# KiCad board pandemonium BLE e7 cutout.kicad_pcb
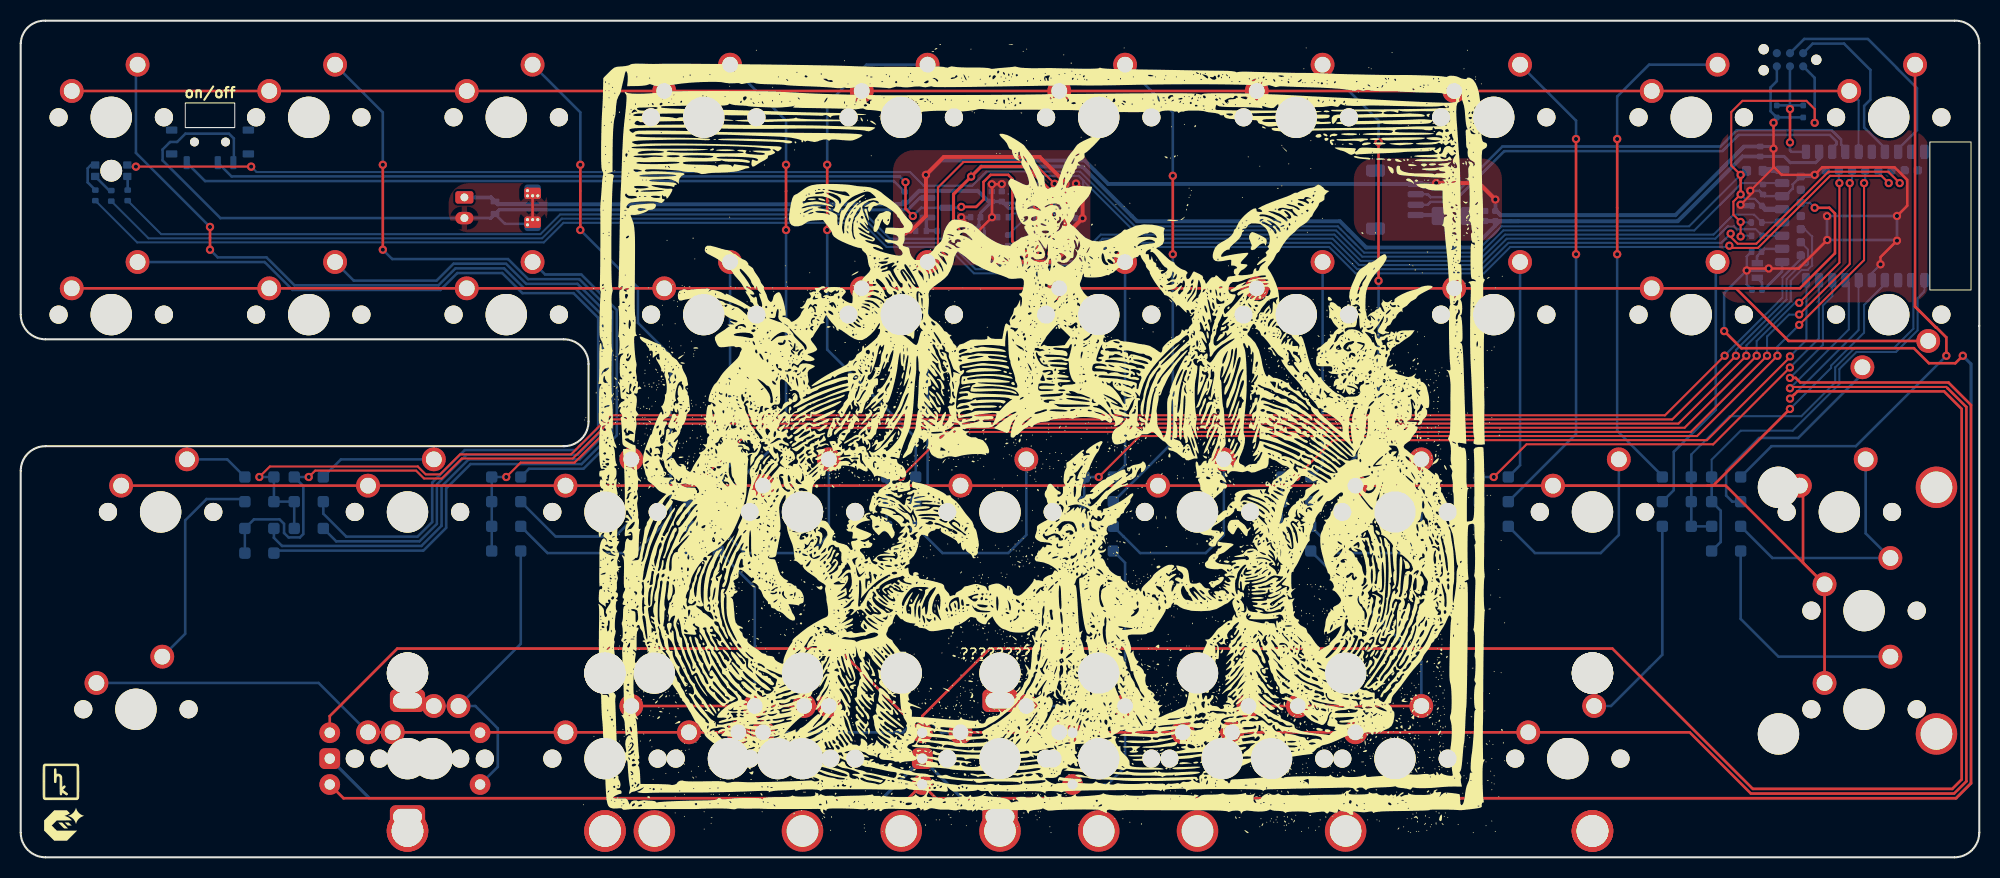
[diagram p0: board, top side]
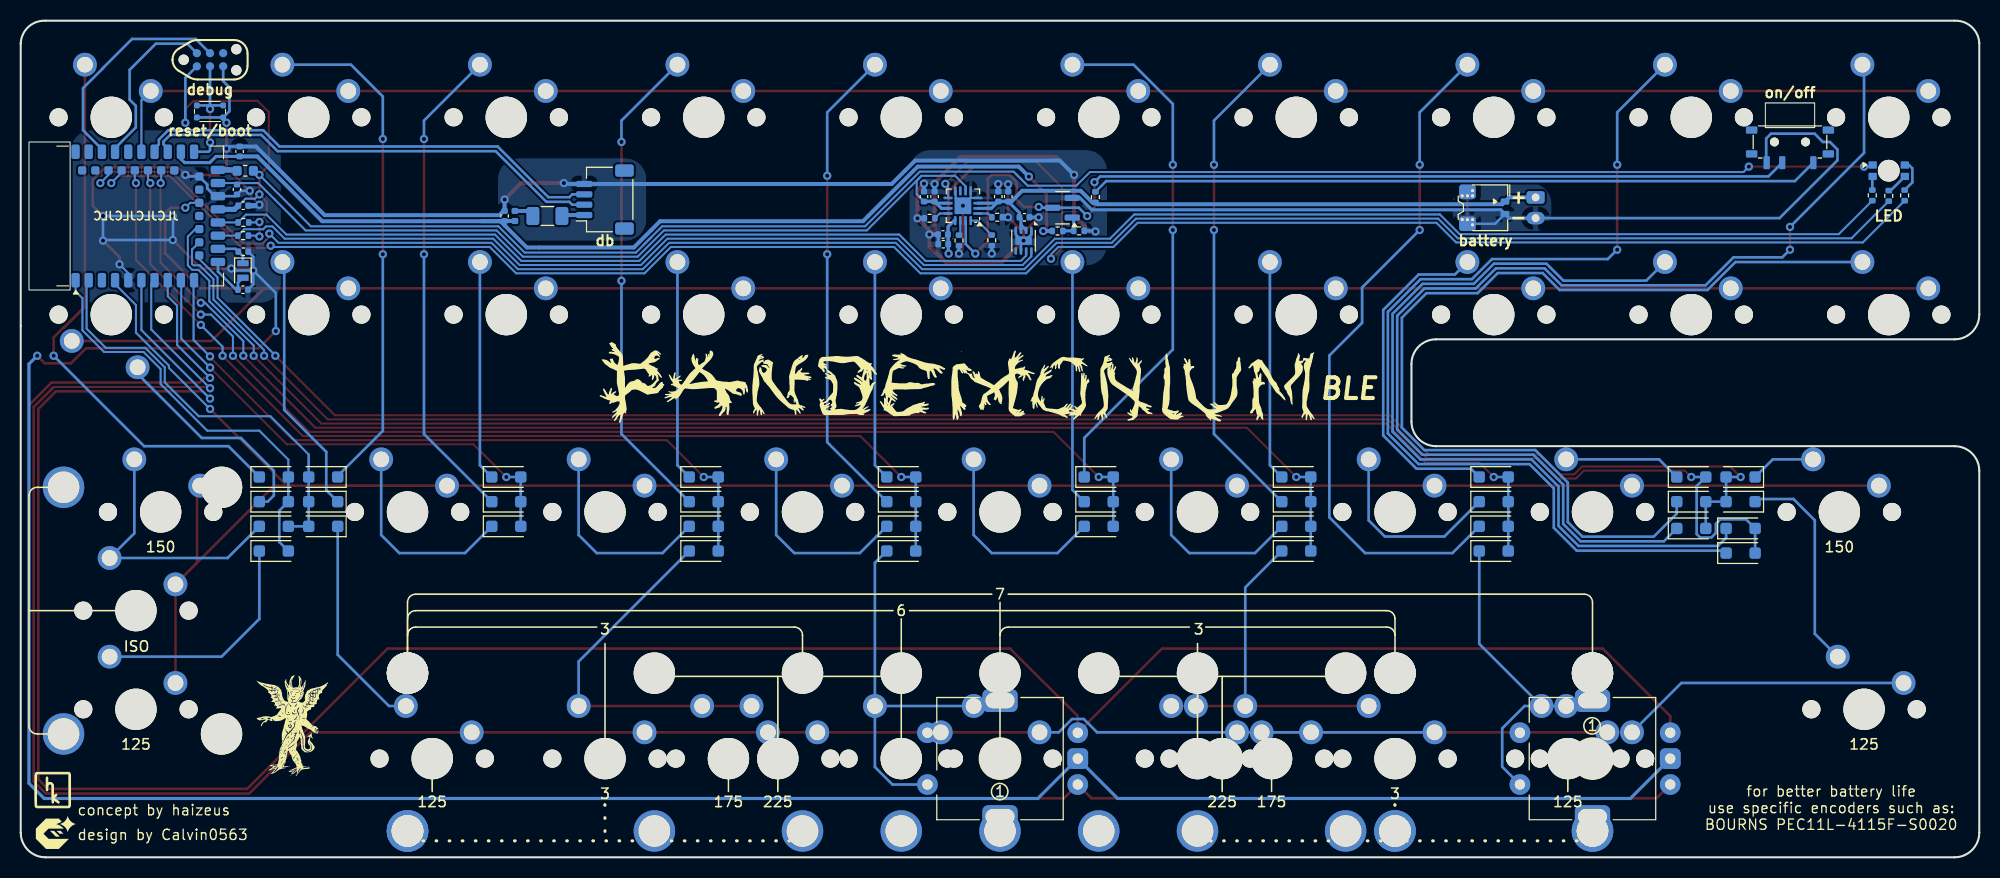
[diagram p1: board, bottom side, seen from below]

Outline 188.91 x 80.76 mm; copper layers: Top, Bottom. Coordinates in mm from the lower left corner of the outline.
Outline path: rectangle 15.88,72.83 20.64,70.44 ; rectangle 184.15,69.06 188.12,54.77 ; 2.38,39.69 arc(0.7,38.99) 0,37.31 0,2.38 arc(0.7,0.7) 2.38,0 186.53,0 arc(188.22,0.7) 188.91,2.38 188.91,51.3 188.91,78.58 arc(188.17,80.17) 186.53,80.76 2.38,80.76 arc(0.74,80.17) 0,78.58 0,52.39 arc(0.7,50.7) 2.38,50.01 52.39,50.01 arc(54.07,49.31) 54.77,47.63 54.77,42.07 arc(54.07,40.38) 52.39,39.69 2.38,39.69
Stack: Top 0.035mm / dielectric 1.51mm FR4 er 4.5 / Bottom 0.035mm

## Placement (name value [footprint] x y rotation side)
C6  1u  [C_0402_1005Metric]  167.45 62.91 180 bottom
C7  4u7  [C_0402_1005Metric]  167.8 68.14 90 bottom
C8  4u7  [C_0402_1005Metric]  168.05 64.47 270 bottom
C9  12p  [C_0402_1005Metric]  167.48 54.8 180 bottom
C10  12p  [C_0402_1005Metric]  167.44 58.47 180 bottom
C12  4u7  [C_0402_1005Metric]  142.24 61.91 90 bottom
C13  4u7  [C_0402_1005Metric]  99.93 59.19 0 bottom
C14  1u  [C_0402_1005Metric]  99.96 60.13 0 bottom
C15  4u7  [C_0402_1005Metric]  101.79 63.79 90 bottom
C16  1u  [C_0402_1005Metric]  100.76 63.79 90 bottom
C17  100n  [C_0402_1005Metric]  92.1 61.79 180 bottom
C18  4u7  [C_0402_1005Metric]  93.66 63.79 90 bottom
C19  1u  [C_0402_1005Metric]  94.62 63.79 90 bottom
D1  D_Small  [D_SOD-123F]  27.78 31.75 180 bottom
D2  D_Small  [D_SOD-123F]  103.98 34.33 180 bottom
D3  D_Small  [D_SOD-123F]  27.78 34.33 180 bottom
D4  D_Small  [D_SOD-123F]  103.98 36.71 180 bottom
D5  D_Small  [D_SOD-123F]  23.02 36.71 0 bottom
D6  D_Small  [D_SOD-123F]  103.98 31.95 180 bottom
D7  D_Small  [D_SOD-123F]  23.02 34.33 0 bottom
D8  D_Small  [D_SOD-123F]  23.02 29.37 180 bottom
D9  D_Small  [D_SOD-123F]  123.03 34.33 180 bottom
D10  D_Small  [D_SOD-123F]  23.02 31.75 180 bottom
D11  D_Small  [D_SOD-123F]  123.03 36.71 180 bottom
D12  D_Small  [D_SOD-123F]  27.78 36.71 180 bottom
D13  D_Small  [D_SOD-123F]  123.03 31.95 180 bottom
D14  D_Small  [D_SOD-123F]  46.83 29.57 180 bottom
D15  D_Small  [D_SOD-123F]  46.83 31.95 180 bottom
D16  D_Small  [D_SOD-123F]  142.08 34.33 180 bottom
D17  D_Small  [D_SOD-123F]  46.83 36.71 180 bottom
D18  D_Small  [D_SOD-123F]  142.08 36.71 180 bottom
D19  D_Small  [D_SOD-123F]  46.83 34.33 180 bottom
D20  D_Small  [D_SOD-123F]  142.08 31.95 180 bottom
D21  D_Small  [D_SOD-123F]  65.88 29.57 180 bottom
D22  D_Small  [D_SOD-123F]  65.88 34.33 180 bottom
D23  D_Small  [D_SOD-123F]  84.93 36.71 180 bottom
D24  D_Small  [D_SOD-123F]  103.98 29.57 180 bottom
D25  D_Small  [D_SOD-123F]  159.74 36.71 0 bottom
D26  D_Small  [D_SOD-123F]  164.5 36.71 180 bottom
D27  D_Small  [D_SOD-123F]  159.74 31.95 0 bottom
D28  D_Small  [D_SOD-123F]  65.88 36.71 180 bottom
D29  D_Small  [D_SOD-123F]  84.93 34.33 180 bottom
D30  D_Small  [D_SOD-123F]  164.5 29.57 180 bottom
D31  D_Small  [D_SOD-123F]  159.74 34.33 0 bottom
D32  D_Small  [D_SOD-123F]  164.5 34.33 180 bottom
D34  D_Small  [D_SOD-123F]  65.88 31.95 180 bottom
D35  D_Small  [D_SOD-123F]  84.93 31.95 180 bottom
D37  D_Small  [D_SOD-123F]  164.5 31.95 180 bottom
D40  D_Small  [D_SOD-123F]  123.03 29.57 180 bottom
F2  750 mA  [Fuse_1206_3216Metric]  138.11 61.91 0 bottom
G***  -  [LOGO]  3.97 7.14 0 top
G***#2  -  [LOGO]  3.97 3.18 0 top
G***#3  -  [LOGO]  98.42 40.48 0 top
G***#4  -  [LOGO]  185.74 2.38 180 bottom
G***#5  -  [LOGO]  99.22 46.04 180 bottom
G***#6  -  [LOGO]  185.74 6.35 180 bottom
G***#7  -  [LOGO]  162.72 12.7 180 bottom
J1  TC2030_SWD  [CON_TC2030_outlined]  170.66 76.99 180 bottom  (not fitted)
J3  78171-0002  [Molex_Pico-EZmate_78171-0002_1x02-1MP_P1.20mm_Vertical]  47.62 62.71 270 bottom
J4  Conn_01x02_Female  [JST_PH_S2B-PH-K_1x02_P2.00mm_Horizontal]  42.79 63.71 270 bottom
J5  SM04B  [JST_SH_SM04B-SRSS-TB_1x04-1MP_P1.00mm_Horizontal]  132.56 63.5 90 bottom
L1  10 uH  [L_0603_1608Metric]  167.26 66.27 180 bottom
L2  BLM15PX121SN1D  [L_0402_1005Metric]  141.24 61.91 270 bottom
LED1  IND  [LED_1206R]  8.73 66.28 180 bottom
MX1  MX_SW_solder  [SW_MX_1u]  8.73 71.44 0 top
MX2  MX_SW_solder  [SW_MX_1u]  103.98 71.44 0 top
MX3  MX_SW_solder  [SW_MX_1u]  8.73 52.39 0 top
MX4  MX_SW_solder  [SW_MX_1u]  103.98 52.39 0 top
MX5  MX_SW_solder  [SW_MX_1.5u]  13.49 33.34 0 top
MX6  MX_SW_solder  [SW_MX_1u]  113.51 33.34 0 top
MX7  MX_SW_solder  [SW_MX_1.25u]  11.11 14.29 0 top
MX8  MX_SW_solder  [SW_MX_1u]  27.78 71.44 0 top
MX9  MX_SW_solder  [SW_MX_1u]  123.03 71.44 0 top
MX10  MX_SW_solder  [SW_MX_1u]  27.78 52.39 0 top
MX11  MX_SW_solder  [SW_MX_1u]  123.03 52.39 0 top
MX12  MX_SW_solder  [SW_MX_1u]  37.31 33.34 0 top
MX13  MX_SW_solder  [SW_MX_1u]  132.56 33.34 0 top
MX14  MX_SW_solder  [SW_MX_1u]  37.31 9.53 0 top
MX15  MX_SW_solder  [SW_MX_1u]  46.83 71.44 0 top
MX16  MX_SW_solder  [SW_MX_1u]  142.08 71.44 0 top
MX17  MX_SW_solder  [SW_MX_1u]  46.83 52.39 0 top
MX18  MX_SW_solder  [SW_MX_1u]  142.08 52.39 0 top
MX19  MX_SW_solder  [SW_MX_1u]  56.36 33.34 0 top
MX20  MX_SW_solder  [SW_MX_1u]  151.61 33.34 0 top
MX21  MX_SW_solder  [SW_MX_1u]  75.41 9.53 0 top
MX22  MX_SW_solder  [SW_MX_1u]  65.88 71.44 0 top
MX23  MX_SW_solder  [SW_MX_1u]  161.13 71.44 0 top
MX24  MX_SW_solder  [SW_MX_1u]  65.88 52.39 0 top
MX25  MX_SW_solder  [SW_MX_1u]  161.13 52.39 0 top
MX26  MX_SW_solder  [SW_MX_1u]  75.41 33.34 0 top
MX27  MX_SW_solder  [SW_MX_1u]  177.8 23.81 0 top
MX28  MX_SW_solder  [SW_MX_1u]  132.56 9.53 0 top
MX29  MX_SW_solder  [SW_MX_1u]  84.93 71.44 0 top
MX30  MX_SW_solder  [SW_MX_1u]  180.18 71.44 0 top
MX31  MX_SW_solder  [SW_MX_1u]  84.93 52.39 0 top
MX32  MX_SW_solder  [SW_MX_1u]  180.18 52.39 180 top
MX33  MX_SW_solder  [SW_MX_1u]  94.46 33.34 0 top
MX34  MX_SW_solder  [SW_MX_1u]  103.98 9.53 0 top
MX35  MX_SW_solder  [SW_MX_1u]  56.36 9.53 0 top
MX36  MX_SW_solder  [SW_MX_1.25u]  39.69 9.53 0 top
MX37  MX_SW_solder  [SW_MX_1u]  73.02 9.53 0 top
MX38  MX_SW_solder  [SW_MX_1.75u]  68.26 9.53 0 top
MX39  MX_SW_solder  [SW_MX_1u]  94.46 9.53 0 top
MX40  MX_SW_solder  [SW_MX_1.25u]  177.8 14.29 0 top
MX41  MX_SW_solder  [SW_MX_1.5u]  175.42 33.34 0 top
MX42  MX_SW_solder  [SW_MX_1u]  115.89 9.53 0 top
MX43  MX_SW_solder  [SW_MX_1.75u]  120.65 9.53 0 top
MX44  MX_SW_solder  [SW_MX_1.25u]  149.23 9.53 0 top
Q1  2N7002  [SOT-23]  88.43 62.71 0 bottom
R1  10k  [R_0402_1005Metric]  167.46 60.01 0 bottom
R2  10k  [R_0402_1005Metric]  86.84 60.48 180 bottom
R3  100R  [R_0402_1005Metric]  88.9 60.46 180 bottom
R4  100K  [R_0402_1005Metric]  85.25 63.73 90 bottom
R8  10k  [R_0402_1005Metric]  167.43 61.29 0 bottom
R10  1k  [R_0402_1005Metric]  10.32 63.9 270 bottom
R11  1k  [R_0402_1005Metric]  8.73 63.86 270 bottom
R12  1k  [R_0402_1005Metric]  7.2 63.9 270 bottom
R13  10k  [R_0402_1005Metric]  94.73 61.79 180 bottom
R14  47k  [R_0402_1005Metric]  98.41 59.55 270 bottom
R15  1k5  [R_0402_1005Metric]  101.25 61.69 0 bottom
R16  2k2  [R_0402_1005Metric]  95.25 59.56 270 bottom
S2  3  [STAB_MX_P_3u]  75.41 9.53 180 top
S3  3  [STAB_MX_P_3u]  132.56 9.53 180 top
S4  3  [STAB_MX_P_3u]  56.36 9.53 180 top
S5  ISO  [STAB_MX_P_ISO-ROT]  177.8 23.81 0 top
S6  225  [STAB_MX_P_2.25u]  73.02 9.53 180 top
S7  225  [STAB_MX_P_2.25u]  115.89 9.53 180 top
S8  6  [STAB_MX_P_6u]  103.98 9.53 180 top
S9  7  [STAB_MX_P_7u]  94.46 9.53 180 top
SW1  RotaryEncoder_Switch  [ROT_Alps_EC11E-Switch]  37.31 9.53 270 top
SW2  RotaryEncoder_Switch  [ROT_Alps_EC11E-Switch]  94.46 9.53 270 top
SW3  RST  [SW_T1A2QR]  170.66 72 180 bottom
SW4  SW_SPDT  [SW_MSK12C02-HB]  18.26 69.06 180 bottom
U1  -  [nRF52840_E73-2G4M08S1C]  178.59 61.91 90 bottom
U6  MAX17048  [DFN-8-1EP_2x2mm_P0.5mm_EP0.8x1.6mm]  92.18 59.53 270 bottom
U7  BQ24075  [VQFN-16-1EP_3x3mm_P0.5mm_EP1.6x1.6mm]  98.03 62.9 0 bottom
Y1  32.768 KHz  [Crystal_SMD_2012-2Pin_2.0x1.2mm]  167.48 56.65 270 bottom

## Library data of the parts
C6 = -: Notes: X7R, 10%; LCSC: C52923; ki_fp_filters: C_*
C7 C8 = -: Notes: X7R, 10%; LCSC: C23733; ki_fp_filters: C_*
C9 C10 = -: Notes: NP0, 2%; LCSC: C1547; ki_fp_filters: C_*
C12 C13 C15 C18 = -: LCSC: C23733; Notes: X7R, 10%; ki_fp_filters: C_*
C14 C16 C19 = -: LCSC: C52923; Notes: X7R, 10%; ki_fp_filters: C_*
C17 = -: LCSC: C307331; ki_fp_filters: C_*
D1-D32 D34 D35 D37 D40 = -: Sim.Device: D; Sim.Pins: 1=K 2=A; ki_fp_filters: TO-???* *_Diode_* *SingleDiode* D_*
F2 = -: LCSC: C20792; ki_fp_filters: SM*
J1 = -: ki_fp_filters: IDC?Header*2x03* Pin?Header*2x03*
J3 = -: LCSC: C505023; ki_fp_filters: Connector*:*_1x??-1MP*
J4 J5 = -: ki_fp_filters: Connector*:*_1x??_*
L1 = -: Notes: 80 mA, 20%; LCSC: C92982; ki_fp_filters: Choke_* *Coil* Inductor_* L_*
L2 = -: LCSC: C88970; ki_fp_filters: Choke_* *Coil* Inductor_* L_*
LED1 = -: Datasheet: https://datasheet.lcsc.com/lcsc/2104121904_MEIHUA-MHT151RGBCT_C409782.pdf; LCSC: C2802677; ki_fp_filters: LED* LED_SMD:* LED_THT:*
Q1 = -: Datasheet: https://www.onsemi.com/pub/Collateral/NDS7002A-D.PDF; Description: 0.115A Id, 60V Vds, N-Channel MOSFET, SOT-23; LCSC: C8545; ki_fp_filters: SOT?23*
R1 R8 R13 = -: LCSC: C25744; ki_fp_filters: R_*
R2 = -: Description: Resistor, small symbol; ki_fp_filters: R_*
R3 = -: Description: Resistor, small symbol; LCSC: C25076; ki_fp_filters: R_*
R4 = -: Description: Resistor, small symbol; LCSC: C25530; ki_fp_filters: R_*
R10-R12 = -: LCSC: C11702; ki_fp_filters: R_*
R14 = -: LCSC: C25792; ki_fp_filters: R_*
R15 = -: LCSC: C25867; ki_fp_filters: R_*
R16 = -: LCSC: C25879; ki_fp_filters: R_*
SW1 SW2 = -: ki_fp_filters: RotaryEncoder*Switch*
SW3 = -: LCSC: C100056
SW4 = -: LCSC: C431540
U1 = -: Datasheet: https://www.ebyte.com/en/downpdf.aspx?id=445; LCSC: C356849
U6 = -: Datasheet: https://datasheets.maximintegrated.com/en/ds/MAX17048-MAX17049.pdf; LCSC: C2682616
U7 = -: Datasheet: http://www.ti.com/lit/ds/symlink/bq24075.pdf; LCSC: C15464; ki_fp_filters: VQFN*1EP*3x3mm*P0.5mm*
Y1 = -: Datasheet: https://datasheet.lcsc.com/szlcsc/KDS-Daishinku-KDS-32-768KHz-12-5PF-20ppm_C93231.pdf; LCSC: C55208; ki_fp_filters: Crystal*

## Footprints (pads in the part's own frame, mm; a bottom-side part is the same pattern mirrored in y, then rotated)
C_0402_1005Metric
  rrect 0.56x0.62 smd: 1(-0.48,0) 2(0.48,0)
CON_TC2030_outlined
  round 0.991 hole 0.991 unplated: (-2.54,0) (2.54,-1.016) (2.54,1.016)
  round 0.787 smd: 1(-1.27,-0.635) 2(-1.27,0.635) 3(0,-0.635) 4(0,0.635) 5(1.27,-0.635) 6(1.27,0.635)
Crystal_SMD_2012-2Pin_2.0x1.2mm
  rect 0.6x1.1 smd: 1(-0.7,0) 2(0.7,0)
D_SOD-123F
  rrect 1.1x1.1 smd: 1(-1.4,0) 2(1.4,0)
DFN-8-1EP_2x2mm_P0.5mm_EP0.8x1.6mm
  rrect 0.64x1.29 smd: (0,0)
  rrect 0.7x0.25 smd: 1(-1,0.75) 2(-1,0.25) 3(-1,-0.25) 4(-1,-0.75) 5(1,-0.75) 6(1,-0.25) 7(1,0.25) 8(1,0.75)
  rect 0.8x1.6 smd: 9(0,0)
Fuse_1206_3216Metric
  rrect 1.25x1.75 smd: 1(-1.4,0) 2(1.4,0)
JST_PH_S2B-PH-K_1x02_P2.00mm_Horizontal
  rrect 1.2x1.75 hole 0.75: 1(0,0)
  oval 1.2x1.75 hole 0.75: 2(2,0)
JST_SH_SM04B-SRSS-TB_1x04-1MP_P1.00mm_Horizontal
  rrect 0.6x1.55 smd: 1(-1.5,2) 2(-0.5,2) 3(0.5,2) 4(1.5,2)
  rrect 1.2x1.8 smd: MP(-2.8,-1.875) MP(2.8,-1.875)
L_0402_1005Metric
  rrect 0.59x0.64 smd: 1(-0.485,0) 2(0.485,0)
L_0603_1608Metric
  rrect 0.875x0.95 smd: 1(-0.787,0) 2(0.787,0)
LED_1206R
  round 2.1 hole 2.1 unplated: (0,0)
  rrect 0.8x0.7 smd: 1(-1.55,0.55) 2(-1.55,-0.55) 3(1.55,-0.55) 4(1.55,0.55)
Molex_Pico-EZmate_78171-0002_1x02-1MP_P1.20mm_Vertical
  rrect 0.6x0.85 smd: 1(-0.6,1.875) 2(0.6,1.875)
  rrect 0.7x0.8 smd: MP(-1.75,-1.9) MP(1.75,-1.9)
  round 0.6 hole 0.3: MP(-1.65,-1.25) MP(-1.15,-2.25) MP(-1.15,-1.75) MP(-1.15,-1.25) MP(1.15,-2.25) MP(1.15,-1.75) MP(1.15,-1.25) MP(1.65,-1.25)
  rrect 1.4x1.6 smd: MP(-1.55,-1.75) MP(1.55,-1.75)
  rrect 1.1x1.6 smd far side: MP(-1.4,-1.75) MP(1.4,-1.75)
nRF52840_E73-2G4M08S1C
  rrect 1.4x0.8 smd: 1(-6.2,5.03) 2(-6.2,3.76) 3(-6.2,2.49) 4(-6.2,1.22) 5(-6.2,-0.05) 6(-6.2,-1.32) 7(-6.2,-2.59) 8(-6.2,-3.86) 9(-6.2,-5.13) 10(-6.2,-6.4) 26(6.2,-6.4) 27(6.2,-5.13) 29(6.2,-3.86) 31(6.2,-2.59) 33(6.2,-1.32) 35(6.2,-0.05) 37(6.2,1.22) 39(6.2,2.49) 41(6.2,3.76) 43(6.2,5.03)
  rrect 0.8x1.4 smd: 11(-4.44,-8.7) 13(-3.17,-8.7) 15(-1.9,-8.7) 17(-0.63,-8.7) 19(0.64,-8.7) 21(1.91,-8.7) 23(3.18,-8.7) 25(4.45,-8.7)
  rrect 0.8x0.8 smd: 12(-3.81,-6.9) 14(-2.54,-6.9) 16(-1.27,-6.9) 18(0,-6.9) 20(1.27,-6.9) 22(2.54,-6.9) 24(3.81,-6.9) 28(4.4,-4.495) 30(4.4,-3.225) 32(4.4,-1.955) 34(4.4,-0.685) 36(4.4,0.585) 38(4.4,1.855) 40(4.4,3.125) 42(4.4,4.395)
R_0402_1005Metric
  rrect 0.54x0.64 smd: 1(-0.51,0) 2(0.51,0)
ROT_Alps_EC11E-Switch
  round 2 hole 1: A(-2.5,-7.5) B(2.5,-7.5) S1(2.5,7) S2(-2.5,7)
  rrect 2x2 hole 1: C(0,-7.5)
  rrect 2.2x3.4 hole 1.5x2.8: MP(-5.6,0) MP(5.6,0)
SOT-23
  rrect 1.475x0.6 smd: 1(-0.938,0.95) 2(-0.938,-0.95) 3(0.938,0)
STAB_MX_P_2.25u
  round 4 hole 3.048: (-11.906,6.985) (11.906,6.985)
  round 3.988 hole 3.988 unplated: (-11.906,-8.255) (11.906,-8.255)
STAB_MX_P_3u
  round 4 hole 3.048: (-19.05,6.985) (19.05,6.985)
  round 3.988 hole 3.988 unplated: (-19.05,-8.255) (19.05,-8.255)
STAB_MX_P_6u
  round 4 hole 3.048: (-47.625,6.985) (47.625,6.985)
  round 3.988 hole 3.988 unplated: (-47.625,-8.255) (47.625,-8.255)
STAB_MX_P_7u
  round 4 hole 3.048: (-57.15,6.985) (57.15,6.985)
  round 3.988 hole 3.988 unplated: (-57.15,-8.255) (57.15,-8.255)
STAB_MX_P_ISO-ROT
  round 3.988 hole 3.988 unplated: (-8.255,11.906) (-8.255,-11.906)
  round 4 hole 3.048: (6.985,11.906) (6.985,-11.906)
SW_MSK12C02-HB
  round 0.85 hole 0.85 unplated: (-1.5,0) (1.5,0)
  rrect 0.6x1.25 smd: 1(2.25,-2) 2(-0.75,-2) 3(-2.25,-2)
  rrect 1.1x0.7 smd: MP(-3.7,-1.15) MP(-3.7,1.15) MP(3.7,-1.15) MP(3.7,1.15)
SW_MX_1.5u
  round 1.75 hole 1.75 unplated: (-5.08,0) (5.08,0)
  round 3.988 hole 3.988 unplated: (0,0)
  round 2.3 hole 1.524: 1(-3.81,2.54) 2(2.54,5.08)
SW_MX_1.25u
  round 1.75 hole 1.75 unplated: (-5.08,0) (5.08,0)
  round 3.988 hole 3.988 unplated: (0,0)
  round 2.3 hole 1.524: 1(-3.81,2.54) 2(2.54,5.08)
SW_MX_1.75u
  round 1.75 hole 1.75 unplated: (-5.08,0) (5.08,0)
  round 3.988 hole 3.988 unplated: (0,0)
  round 2.3 hole 1.524: 1(-3.81,2.54) 2(2.54,5.08)
SW_MX_1u
  round 1.75 hole 1.75 unplated: (-5.08,0) (5.08,0)
  round 3.988 hole 3.988 unplated: (0,0)
  round 2.3 hole 1.524: 1(-3.81,2.54) 2(2.54,5.08)
SW_T1A2QR
  rrect 0.55x0.57 smd: 1(-1.275,0.58) 1(1.275,0.58) 2(-1.275,-0.58) 2(1.275,-0.58)
VQFN-16-1EP_3x3mm_P0.5mm_EP1.6x1.6mm
  rrect 0.64x0.64 smd: (-0.4,-0.4) (-0.4,0.4) (0.4,-0.4) (0.4,0.4)
  rrect 0.875x0.25 smd: 1(-1.438,0.75) 2(-1.438,0.25) 3(-1.438,-0.25) 4(-1.438,-0.75) 9(1.438,-0.75) 10(1.438,-0.25) 11(1.438,0.25) 12(1.438,0.75)
  rrect 0.25x0.875 smd: 5(-0.75,-1.438) 6(-0.25,-1.438) 7(0.25,-1.438) 8(0.75,-1.438) 13(0.75,1.438) 14(0.25,1.438) 15(-0.25,1.438) 16(-0.75,1.438)
  rect 1.6x1.6 smd: 17(0,0)

## Nets
+5V: C7.1 C12.1 C13.1 C14.1 L2.2 R3.1 U1.27 U7.13
GND: C6.2 C7.2 C8.2 C9.2 C10.2 C12.2 C13.2 C14.2 C15.2 C16.2 C17.2 C18.2 C19.2 J1.5 J3.2 J3.MP J4.2 J5.4 Q1.2 R2.2 R13.2 R14.2 R15.2 R16.2 SW1.C SW2.C SW3.2 SW4.3 U1.5 U1.21 U1.24 U6.1 U6.4 U6.6 U6.9 U7.4 U7.5 U7.8 U7.17
VBUS: F2.1 J5.1
VDD: C6.1 J1.1 L1.2 LED1.1 R1.1 R8.1 U1.19
+BATT: C17.1 C18.1 C19.1 J3.1 J4.1 R4.1 U6.2 U6.3 U7.2 U7.3
+VSW: C8.1 C15.1 C16.1 U1.23 U7.6 U7.10 U7.11
/ILIM: R15.1 U7.12
/TMR: R14.1 U7.14
ALERT: U6.5
COL0: D1.2 D3.2 D5.2 D7.2 U1.12
COL1: D8.2 D10.2 D12.2 U1.14
COL2: D14.2 D15.2 D17.2 D19.2 U1.16
COL3: D21.2 D22.2 D28.2 D34.2 U1.30
COL4: D23.2 D29.2 D35.2 U1.32
COL5: D2.2 D4.2 D6.2 D24.2 U1.34
COL6: D9.2 D11.2 D13.2 D40.2 U1.10
COL7: D16.2 D18.2 D20.2 U1.9
COL8: D25.2 D27.2 D31.2 D37.2 U1.2
COL9: D26.2 D30.2 D32.2 U1.1
D+: J5.3 U1.31
D-: J5.2 U1.29
DCCH: L1.1 U1.25
LED_B: R10.2 U1.38
LED_G: R11.2 U1.36
r1: D14.1 MX14.2 MX36.2 SW1.S1
r2: D24.1 MX34.2 MX39.2 SW2.S1
ROTARY_A: SW1.A SW2.A U1.6
ROTARY_B: SW1.B SW2.B U1.8
ROW0: MX1.1 MX2.1 MX8.1 MX9.1 MX15.1 MX16.1 MX22.1 MX23.1 MX29.1 MX30.1 U1.33
ROW1: MX3.1 MX4.1 MX10.1 MX11.1 MX17.1 MX18.1 MX24.1 MX25.1 MX31.1 MX32.1 U1.20
ROW2: MX5.1 MX6.1 MX12.1 MX13.1 MX19.1 MX20.1 MX26.1 MX27.1 MX33.1 MX40.1 MX41.1 U1.4
ROW3: MX7.1 MX14.1 MX21.1 MX28.1 MX34.1 MX35.1 MX36.1 MX37.1 MX38.1 MX39.1 MX42.1 MX43.1 MX44.1 SW1.S2 SW2.S2 U1.7
RST: J1.3 SW3.1 U1.26
SCL: R8.2 U1.17 U6.7
SDA: R1.2 U1.15 U6.8
SWDCLK: J1.4 U1.39
SWDIO: J1.2 U1.37
SYSOFF: Q1.3 SW4.2 U7.15
~{CHG}: R12.2 U7.9
Net-(D1-K): D1.1 MX1.2
Net-(D2-K): D2.1 MX2.2
Net-(D3-K): D3.1 MX3.2
Net-(D4-K): D4.1 MX4.2
Net-(D5-K): D5.1 MX5.2
Net-(D6-K): D6.1 MX6.2
Net-(D7-K): D7.1 MX7.2
Net-(D8-K): D8.1 MX8.2
Net-(D9-K): D9.1 MX9.2
Net-(D10-K): D10.1 MX10.2
Net-(D11-K): D11.1 MX11.2
Net-(D12-K): D12.1 MX12.2
Net-(D13-K): D13.1 MX13.2
Net-(D15-K): D15.1 MX15.2
Net-(D16-K): D16.1 MX16.2
Net-(D17-K): D17.1 MX17.2
Net-(D18-K): D18.1 MX18.2
Net-(D19-K): D19.1 MX19.2
Net-(D20-K): D20.1 MX20.2
Net-(D21-K): D21.1 MX21.2 MX35.2 MX37.2 MX38.2
Net-(D22-K): D22.1 MX22.2
Net-(D23-K): D23.1 MX29.2
Net-(D25-K): D25.1 MX23.2
Net-(D26-K): D26.1 MX30.2
Net-(D27-K): D27.1 MX44.2
Net-(D28-K): D28.1 MX24.2
Net-(D29-K): D29.1 MX31.2
Net-(D30-K): D30.1 MX40.2
Net-(D31-K): D31.1 MX25.2
Net-(D32-K): D32.1 MX32.2
Net-(D34-K): D34.1 MX26.2
Net-(D35-K): D35.1 MX33.2
Net-(D37-K): D37.1 MX27.2 MX41.2
Net-(D40-K): D40.1 MX28.2 MX42.2 MX43.2
Net-(F2-Pad2): F2.2 L2.1
Net-(LED1-BK): LED1.2 R10.1
Net-(LED1-GK): LED1.3 R11.1
Net-(LED1-RK): LED1.4 R12.1
Net-(Q1-G): Q1.1 R2.1 R3.2
Net-(SW4-A): R4.2 SW4.1
Net-(U1-P0.00/XL1): C9.1 U1.11 Y1.2
Net-(U1-P0.01/XL2): C10.1 U1.13 Y1.1
Net-(U7-ISET): R16.1 U7.16
Net-(U7-TS): R13.1 U7.1

Pads without a net: J1 6; J5 MP; SW1 MP; SW2 MP; SW4 MP; U1 3 18 22 28 35 40 41 42 43; U7 7

## Via types
v1: diameter 0.8, hole 0.4, Top to Bottom, 98 vias

## Routing (per net, layer and track width the routed paths; a pad name or vN(x,y) marks a point on that pad's centre or on a via; arc(x,y) is an arc through that point)
+5V: length 119.1
  Top w0.3: v1(90.28,60.46) 89.97,60.77 89.97,64.01 v1(91.67,65.71) 92.63,66.68 97.01,66.68 99.41,64.27 v1(99.41,58.28)
  Bottom w0.3: U7.13 98.88,61.46 99.48,60.87 C14.1 99.45,60.1 C13.1 99.45,58.32 v1(99.41,58.28) ; U1.27 173.46,67.41 173.11,67.06 170.68,67.06 170.08,67.66 C7.1
  Bottom w0.38: 144.46,61.41 142.26,61.41 C12.1 142.23,61.43 L2.2 ; 144.46,61.41 159.83,61.41 166.08,67.66 C7.1 ; 144.46,61.41 142.64,61.41 142.21,60.99 ; v1(90.28,60.46) 90.28,60.46 R3.1 ; 142.21,60.99 142.24,61.01 ; 142.21,60.99 140.1,58.87 129.78,58.87 127.24,61.41 107.67,61.41 102.4,66.68 92.64,66.68 v1(91.67,65.71)
GND: length 585.8
  Top w0.2: v1(98.03,62.9) 98.03,58.66 v1(98.41,58.28) ; 169.07,68.26 169.07,66.59 v1(166.83,64.35) 166.83,63.93 v1(165.89,63)
  Top w0.25: J3.MP J3.MP J3.MP ; v1(166.48,56.65) 166.68,56.84 v1(168.6,56.84) 171.5,56.84 v1(174.25,59.59) ; v1(169.07,68.41) 169.07,66.68 169.86,65.88 v1(173.04,65.88) 173.77,66.61 180.75,66.61 181.96,65.4 181.96,62.9 v1(180.98,61.91) ; v1(169.07,68.41) v1(169.07,70.91) ; v1(169.07,68.41) 169.19,68.29 ; v1(179.39,57.24) 179.39,57.94 v1(180.98,59.53) ; v1(90.72,61.79) 92.18,60.33 v1(92.18,59.53) 92.18,60.28 v1(93.69,61.79) 93.69,64.96 v1(93.67,64.98) 94.61,64.98 v1(94.63,64.99) ; v1(164.31,50.8) 165.96,49.14 182.61,49.14 184.06,47.69 186.6,47.69 v1(187.32,48.42) ; J3.MP J3.MP J3.MP ; J3.MP J3.MP
  Top w0.38: v1(92.18,59.53) 94.23,57.49 99.74,57.49 101.27,59.02 v1(101.27,60.12) ; v1(142.24,63.5) 140.65,65.09 v1(136.52,65.09) ; v1(101.27,60.12) 100.77,60.63 v1(100.77,65) 100.77,65.12 98.28,67.62 89.05,67.62 v1(87.31,65.88) 87.31,61.91 85.82,60.42 v1(85.25,60.42) ; v1(101.27,60.12) 101.27,60.54 v1(102.42,61.69) 102.42,64.41 v1(101.79,65.04)
  Bottom w0.2: v1(98.03,62.9) 98.73,63.6 98.73,64.29 U7.8 ; v1(98.03,62.9) 97.78,62.65 ; v1(98.03,62.9) 97.28,63.65 ; U7.4 97.28,63.65 ; 97.28,63.65 U7.5 ; U1.5 178.54,56.4 v1(179.39,57.24)
  Bottom w0.25: v1(166.48,56.65) 166.48,57.99 C10.2 ; v1(166.48,56.65) 164.31,54.47 v1(164.31,50.8) ; v1(166.48,56.65) 168.6,56.65 168.6,56.64 ; v1(166.48,56.65) 166.48,55.31 C9.2 ; 168.71,68.62 169.07,68.26 ; v1(169.07,68.41) 168.86,68.62 C7.2 ; J3.MP 48.97,60.96 J3.MP ; J4.2 19.26,61.71 13.68,67.28 13.68,68.33 14.41,69.06 15.08,69.06 15.88,69.86 20.09,69.86 20.56,69.39 20.56,67.11 SW4.3 ; J3.MP 48.97,64.46 J3.MP ; SW3.2 SW3.2 ; SW3.2 168.78,72.02 168.78,74.33 169.39,74.93 J1.5 ; SW3.2 169.38,71.23 v1(169.07,70.91) ; J3.2 46.7,61.16 J3.MP ; v1(173.04,65.88) 172.88,65.72 U1.24 170.92,64.95 170.92,64.56 170.19,63.82 U1.21 168.22,63.82 C8.2 167.7,64.35 v1(166.83,64.35) ; U6.6 92.43,59.28 v1(92.18,59.53) ; v1(92.18,59.53) 92.03,59.53 91.43,60.13 U6.1 ; v1(92.18,59.53) 92.33,59.53 92.93,60.13 U6.4 ; 174.25,61.91 v1(174.23,61.89) 174.23,59.61 v1(174.25,59.59) 180.91,59.59 v1(180.98,59.53) v1(180.98,61.91) 174.25,61.91
  Bottom w0.3: v1(187.32,48.42) 188.12,47.63 188.12,7.14 186.65,5.68 90.81,5.68 SW2.C 83.11,5.68 33.66,5.68 SW1.C ; R16.2 95.25,58.28 v1(95.25,58.28) ; C13.2 100.41,60.1 C14.2 ; v1(85.25,60.42) 85.31,60.48 R2.2 ; R14.2 98.41,58.28 v1(98.41,58.28) ; J4.2 45.35,61.71 J3.2 46.15,62.51 85.6,62.51 86.75,63.66 Q1.2 ; C17.2 v1(90.72,61.79)
  Bottom w0.38: v1(101.27,60.12) 101.27,60.13 C14.2 ; R15.2 v1(102.42,61.69) ; C16.2 100.76,64.99 v1(100.77,65) ; v1(94.63,64.99) 94.62,64.99 C19.2 ; v1(93.67,64.98) 93.66,64.97 C18.2 ; v1(87.31,65.88) 88.69,67.26 102.64,67.26 104.9,65 J5.4 136.44,65 v1(136.52,65.09) ; R13.2 v1(93.69,61.79) ; v1(101.79,65.04) 101.79,65.04 C15.2 ; C7.2 166.22,68.62 159.59,61.99 142.75,61.99 142.34,62.39 C12.2 v1(142.24,63.5)
  Bottom w0.5: v1(165.89,63) 165.98,62.91 C6.2
VBUS: length 2.2
  Bottom w0.38: J5.1 136.62,62 F2.1
VDD: length 202.3
  Top w0.2: v1(165.89,65.88) 164.99,66.79 164.99,71.94 166.07,73.03 172.24,73.03 173.04,72.23 v1(173.04,70.91) ; v1(22.22,66.68) v1(11.11,66.68) ; v1(165.89,64) 165.19,63.3 165.19,62.03 v1(165.89,61.33) v1(165.89,59.93)
  Top w0.25: 165.89,65.4 v1(165.89,64)
  Top w0.3: v1(165.89,65.88) 165.89,65.4
  Bottom w0.2: v1(165.89,61.33) 165.94,61.29 R8.1 ; R1.1 165.97,60.01 v1(165.89,59.93) ; 128.11,59.84 127.03,60.92 107.47,60.92 102.19,66.19 93.14,66.19 92.85,65.9 ; 128.11,59.84 129.57,58.38 140.3,58.38 142.84,60.92 160.93,60.92 v1(165.89,65.88) ; 128.11,59.84 128.8,59.15 ; 91.96,65.01 92.85,65.9 ; v1(165.89,64) 166.31,63.58 167.23,63.58 167.93,62.88 C6.1 ; v1(22.22,66.68) 22.74,66.16 85.77,66.16 87.09,64.84 91.79,64.84 92.85,65.9 ; v1(11.11,66.68) 10.44,66.68 LED1.1
  Bottom w0.25: v1(165.89,65.88) 166.29,66.27 L1.2 166.29,66.27 ; v1(173.04,70.91) 173.04,75.25 J1.1
  Bottom w0.5: U1.19 168.29,62.55 C6.1
+BATT: length 61.3
  Bottom w0.3: 92.43,60.99 U6.3 ; 92.43,60.99 92.43,61.64 C17.1 92.58,62.23 C18.1 C19.1 ; 92.43,60.99 92.4,60.99 U6.2 ; U7.2 95.28,62.65 C19.1 ; C19.1 94.78,63.15 U7.3
  Bottom w0.38: C18.1 93.35,63.31 92.31,64.35 86.67,64.35 85.55,63.22 R4.1 85.08,63.05 46.01,63.05 J3.1 45.35,63.71 J4.1
+VSW: length 86.2
  Bottom w0.2: 102.03,65.79 98.78,65.79 97.78,64.79 U7.6 ; 102.03,65.79 107.3,60.52 126.87,60.52 129.41,57.98 140.47,57.98 143.01,60.52 161.43,60.52 164.41,63.5 164.41,63.5 165.99,65.08 167.92,65.08 C8.1 168.2,65.09 U1.23 ; 102.03,65.79 102.49,65.33 102.49,64.01 C15.1
  Bottom w0.3: U7.11 100.1,62.65 C16.1 ; C16.1 101.79,63.31 C15.1 ; C16.1 100.6,63.15 U7.10
/ILIM: length 1.5
  Bottom w0.2: R15.1 100.27,62.15 U7.12
/TMR: length 1.5
  Bottom w0.2: R14.1 98.28,60.19 U7.14
COL0: length 167.9
  Top w0.2: v1(23.02,36.71) 24.03,37.73 38.31,37.73 39.07,36.97 40.45,36.97 42.38,38.9 53.09,38.9 56.85,42.67 158.6,42.67 v1(164.35,48.42)
  Bottom w0.2: U1.12 171.69,57.76 169.92,55.99 169.92,54.02 164.35,48.45 v1(164.35,48.42)
  Bottom w0.25: 26.38,31.75 26.38,34.33 D7.2 D5.2 v1(23.02,36.71)
COL1: length 174.6
  Top w0.2: v1(165.44,48.42) 159.29,42.27 57.02,42.27 53.25,38.5 42.55,38.5 40.61,36.57 38.9,36.57 38.14,37.33 28.4,37.33 v1(27.78,36.71)
  Bottom w0.2: U1.14 172.39,58.67 172.39,57.3 172.24,57.15 171.65,57.15 170.32,55.82 170.32,53.85 165.44,48.97 v1(165.44,48.42)
  Bottom w0.25: v1(27.78,36.71) 26.38,36.71 27.26,35.84 27.26,31.2 26.93,30.88 25.84,30.88 25.4,31.31 25.4,32.19 24.96,32.63 22.49,32.63 D10.2 D8.2
COL2: length 148.9
  Top w0.2: v1(46.83,36.71) 48.22,38.1 53.42,38.1 57.18,41.87 159.89,41.87 v1(166.44,48.42)
  Bottom w0.2: v1(166.44,48.42) 166.44,49.41 170.72,53.69 170.72,55.66 171.78,56.71 172.37,56.71 172.79,57.13 172.79,59.93 172.08,60.64 U1.16
  Bottom w0.25: D14.2 D17.2 v1(46.83,36.71)
COL3: length 136.7
  Top w0.2: 171.72,53.7 175.42,57.4 v1(175.42,65.09) ; 171.72,53.7 v1(171.54,53.53) 171.72,53.7 ; v1(65.88,36.71) 70.64,41.47 160.49,41.47 v1(167.44,48.42)
  Bottom w0.2: U1.30 175.37,65.14 v1(175.42,65.09) ; v1(171.54,53.53) 171.13,53.53 167.44,49.84 v1(167.44,48.42)
  Bottom w0.25: v1(65.88,36.71) D28.2 D21.2
COL4: length 116.4
  Top w0.2: v1(84.93,36.71) 89.29,41.07 161.09,41.07 v1(168.44,48.42) ; v1(176.42,65.09) 176.42,57.27 v1(171.54,52.4)
  Bottom w0.2: v1(168.44,48.42) 168.44,50.28 170.56,52.4 v1(171.54,52.4) ; v1(176.42,65.09) 176.64,65.31 U1.32
  Bottom w0.25: 83.53,31.95 83.53,36.71 v1(84.93,36.71)
COL5: length 100.3
  Top w0.2: v1(171.54,51.4) 177.8,57.65 v1(177.8,65.09) ; v1(103.98,36.71) 107.94,40.67 161.69,40.67 v1(169.44,48.42)
  Bottom w0.2: U1.34 177.91,65.2 v1(177.8,65.09) ; v1(171.54,51.4) 169.44,49.3 v1(169.44,48.42)
  Bottom w0.25: D24.2 D4.2 v1(103.98,36.71)
COL6: length 69.1
  Top w0.2: v1(123.03,36.71) 126.59,40.27 162.64,40.27 170.65,48.27 170.65,48.35 v1(170.66,48.35)
  Bottom w0.2: U1.10 172.24,55.66 172.24,49.94 v1(170.66,48.35)
  Bottom w0.25: v1(123.03,36.71) 121.63,36.71 121.63,29.57
COL7: length 48.7
  Top w0.2: v1(170.65,47.28) 170.65,47.27 163.24,39.87 145.24,39.87 v1(142.08,36.71)
  Bottom w0.2: 173.43,55.68 173.43,50.07 v1(170.65,47.28)
  Bottom w0.25: v1(142.08,36.71) D18.2 D20.2
COL8: length 41
  Bottom w0.2: 161.14,38.89 164.83,42.58 171.75,42.58 175.02,45.85 175.02,47.3 176.9,49.18 180.71,49.18 182.56,51.04 182.56,55.5 U1.2
  Bottom w0.25: 161.14,38.89 D25.2 D27.2 D37.2
COL9: length 40.5
  Bottom w0.2: U1.1 183.62,54.64 182.96,53.98 182.96,50.87 180.87,48.78 177.06,48.78 175.42,47.14 175.42,45.69 170.91,41.18 165.89,41.18 163.1,38.39 D26.2
  Bottom w0.25: D30.2 163.98,30.44 163.98,33.46 D32.2 D26.2
D+: length 45.5
  Bottom w0.25: J5.3 135.72,64 135.99,63.73 138.02,63.73 142.91,68.62 163.95,68.62 165.52,70.19 174.69,70.19 175.59,69.28 175.59,68.82 176,68.41 U1.31
D-: length 44.8
  Bottom w0.25: U1.29 174.73,68.41 175.14,68.82 175.14,69.09 174.5,69.74 165.71,69.74 164.14,68.17 143.1,68.17 138.21,63.28 135.99,63.28 135.72,63 J5.2
DCCH: length 3.6
  Bottom w0.25: 168.13,66.36 168.75,66.36
  Bottom w0.5: L1.1 168.13,66.36 U1.25 168.75,66.36
LED_B: length 184.2
  Top w0.2: v1(181.24,65.09) 180.14,66.19 174.37,66.19 167.41,59.23 165.6,59.23 164.93,59.9 v1(164.93,60.21)
  Bottom w0.2: v1(181.24,65.09) 180.45,65.88 U1.38 ; R10.2 13.55,60.16 50.12,60.16 52.03,62.06 81.51,62.06 83.85,59.72 89.16,59.72 92.1,56.78 101.97,56.78 104.51,59.32 126.37,59.32 128.91,56.78 140.96,56.78 143.5,59.32 164.04,59.32 v1(164.93,60.21)
LED_G: length 184
  Top w0.2: v1(180.18,65.09) 179.48,65.79 174.53,65.79 167.58,58.83 165.01,58.83 v1(164.81,59.04)
  Bottom w0.2: R11.2 12.32,59.76 50.29,59.76 52.19,61.66 81.34,61.66 83.68,59.32 89,59.32 91.94,56.38 102.13,56.38 104.67,58.92 126.21,58.92 128.75,56.38 141.13,56.38 143.67,58.92 164.68,58.92 v1(164.81,59.04) ; v1(180.18,65.09) 179.18,66.09 U1.36
r1: length 30.6
  Bottom w0.25: MX14.2 MX36.2 ; MX36.2 48.23,20.61 D14.1 ; MX36.2 43.85,14.61 46.02,12.44 46.02,8.74 SW1.S1
r2: length 36.6
  Bottom w0.25: MX34.2 106.52,28.43 D24.1 ; MX34.2 MX39.2 ; MX34.2 106.52,8.71 104.83,7.03 SW2.S1
ROTARY_A: length 242.9
  Top w0.25: SW1.A 29.81,13.63 36.33,20.15 78.83,20.15 SW2.A 86.96,13.63 93.48,20.15 153.52,20.15 167.07,6.6 186.3,6.6 187.22,7.52 187.22,43.28 185.52,44.98 171.38,44.98 171.06,44.67 ; 171.05,44.68 v1(170.66,44.28)
  Bottom w0.2: U1.6 177.27,50.9 v1(170.66,44.28)
ROTARY_B: length 226.7
  Top w0.25: SW1.B 31.13,5.7 85.63,5.7 SW2.B 88.28,5.7 186.68,5.7 188.12,7.14 188.12,43.66 185.94,45.83 171.65,45.83 171.21,46.28 v1(170.65,46.28)
  Bottom w0.2: v1(170.65,46.28) 173.83,49.46 173.83,53.26 174.73,54.17 U1.8
ROW0: length 178.6
  Top w0.25: MX22.1 MX15.1 MX1.1 ; MX30.1 MX2.1 MX29.1 61.12,73.98
  Bottom w0.2: U1.33 177.27,73.08 MX30.1
ROW1: length 200.8
  Top w0.25: MX3.1 MX25.1 164.31,54.93 ; 164.31,54.93 165.44,54.93 170.52,49.85 MX32.1 ; 164.31,54.93 171.61,54.93 174.99,58.31 174.99,62.15 174.44,62.71 v1(173.04,62.71)
  Bottom w0.2: v1(173.04,62.71) 172.56,63.18 U1.20
ROW2: length 228.9
  Top w0.2: MX20.1 161.29,35.88
  Top w0.25: v1(170.65,43.28) 163.25,35.88 162.72,35.88 ; 162.72,35.88 MX20.1 MX5.1 ; 162.72,35.88 164.46,35.88 MX27.1 ; MX27.1 MX40.1 ; MX27.1 171.91,28.43 171.91,35.88
  Bottom w0.2: U1.4 179.81,55.33 177.8,53.32 177.8,50.65 174.62,47.47 174.62,47.25 v1(170.65,43.28)
ROW3: length 272.4
  Top w0.2: 185.89,45.24 185.73,45.41 170.78,45.41 v1(170.65,45.28)
  Top w0.25: 185.86,45.28 187.67,43.47 187.67,7.33 186.49,6.15 166.89,6.15 160.97,12.07 MX44.1 MX39.1 ; MX14.1 MX21.1
  Bottom w0.2: U1.7 176.33,55.39 176.33,50.96 v1(170.65,45.28)
  Bottom w0.25: MX35.1 MX21.1 85.09,12.07 86.38,13.35 87.51,13.35 88.79,12.07 MX39.1 ; MX7.1 28.73,16.83 MX14.1
RST: length 12.6
  Top w0.25: v1(170.66,72.23) v1(170.66,69.01)
  Bottom w0.25: J1.3 v1(170.66,72.23) 170.66,72.58 ; U1.26 170.81,68.11 170.66,68.26 v1(170.66,69.01) ; 170.66,72.58 SW3.1 ; 170.66,72.58 SW3.1
SCL: length 82.9
  Bottom w0.2: U6.7 91.93,58.08 92.44,57.58 101.64,57.58 104.18,60.12 126.7,60.12 129.24,57.58 140.63,57.58 143.17,60.12 163.29,60.12 165.21,62.04 167.19,62.04 R8.2 169.89,61.29 U1.17
SDA: length 83.3
  Bottom w0.2: U6.8 91.43,58.01 92.27,57.18 101.8,57.18 104.34,59.72 126.54,59.72 129.08,57.18 140.8,57.18 143.34,59.72 163.45,59.72 164.64,60.91 165.25,60.91 165.53,60.63 167.35,60.63 R1.2 U1.15
SWDCLK: length 21.7
  Bottom w0.25: J1.4 172.03,79 178.17,79 180.98,76.2 180.98,76.18 182.9,74.25 182.9,70.19 181.08,68.37 U1.39
SWDIO: length 16.9
  Bottom w0.25: U1.37 179.81,68.45 177.81,70.46 177.81,72.55 178.41,73.14 178.41,76.02 175.88,78.55 172.85,78.55 J1.2
SYSOFF: length 95.7
  Top w0.25: v1(85.34,65.18) 85.34,62.61 v1(86.05,61.91) ; v1(90.72,62.79) 92.16,62.79 92.87,63.5 92.87,65.2 93.55,65.88 95.25,65.88 95.65,65.48 95.65,59.47 v1(96.84,58.28)
  Bottom w0.25: v1(86.05,61.91) 86.85,62.71 Q1.3 ; SW4.2 20.33,65.73 84.79,65.73 v1(85.34,65.18) ; Q1.3 90.64,62.71 v1(90.72,62.79) ; Q1.3 90.67,62.71 ; U7.15 97.78,61.12 97.76,61.1 97.76,59.2 v1(96.84,58.28)
~{CHG}: length 108.4
  Top w0.2: v1(89.54,57.79) 88.47,58.86 88.47,64.66 90.94,67.13 97.62,67.13 v1(99.73,65.02)
  Bottom w0.2: 89.54,58.21 88.83,58.92 83.52,58.92 81.18,61.26 52.36,61.26 50.45,59.36 11.23,59.36 R12.2 ; v1(99.73,65.02) 99.47,64.76 U7.9 ; 89.54,58.11 89.54,57.69
Net-(D1-K): length 107.9
  Top w0.25: v1(18.26,58.66) v1(18.26,60.86)
  Bottom w0.25: D1.1 30.42,30.51 38.46,30.51 40.14,32.18 40.14,35.99 43.01,38.86 53.72,38.86 56.14,41.29 56.14,52.28 53.51,54.91 48.57,54.91 46.63,56.85 41.93,56.85 40.29,55.22 26.4,55.22 23.7,57.92 18.99,57.92 v1(18.26,58.66) ; MX1.2 11.11,76.36 11.11,68 v1(18.26,60.86)
Net-(D2-K): length 46.5
  Top w0.25: v1(111.12,58.22) v1(111.12,65.79)
  Bottom w0.25: MX2.2 111.12,71.91 v1(111.12,65.79) ; v1(111.12,58.22) 111.12,40.08 D2.1
Net-(D3-K): length 93.8
  Bottom w0.25: MX3.2 23.52,57.47 26.22,54.77 40.48,54.77 42.11,56.4 46.44,56.4 48.38,54.46 53.32,54.46 55.69,52.09 55.69,41.47 53.53,39.31 42.82,39.31 39.69,36.17 39.69,32.37 38.28,30.96 31.4,30.96 29.18,33.17 D3.1
Net-(D4-K): length 21.2
  Bottom w0.25: MX4.2 106.52,37.85 D4.1
Net-(D5-K): length 6.3
  Bottom w0.25: D5.1 19.91,38.42 MX5.2
Net-(D6-K): length 19.8
  Bottom w0.25: D6.1 106.36,30.97 106.37,30.97 107.97,29.37 114.3,29.37 116.05,31.12 MX6.2
Net-(D7-K): length 20.8
  Bottom w0.25: D7.1 21.36,34.59 17.92,34.59 15.86,32.53 15.86,21.58 MX7.2
Net-(D8-K): length 95.7
  Top w0.25: v1(34.92,58.66) v1(34.92,66.86)
  Bottom w0.25: D8.1 24.66,29.61 38.83,29.61 41.04,31.81 41.04,35.61 43.38,37.96 54.09,37.96 57.04,40.91 57.04,52.65 53.88,55.81 48.94,55.81 47,57.75 35.83,57.75 v1(34.92,58.66) ; v1(34.92,66.86) 34.92,71.91 MX8.2
Net-(D9-K): length 47.1
  Top w0.25: v1(130.97,55.65) v1(130.97,69.06)
  Bottom w0.25: v1(130.97,69.06) 130.97,71.12 125.57,76.52 ; v1(130.97,55.65) 130.97,40.87 D9.1
Net-(D10-K): length 81.3
  Bottom w0.25: MX10.2 32.12,55.67 40.11,55.67 41.74,57.3 46.81,57.3 48.76,55.36 53.7,55.36 56.59,52.46 56.59,41.1 53.9,38.41 43.2,38.41 40.59,35.8 40.59,32 38.65,30.06 25.21,30.06 24.42,30.84 D10.1
Net-(D11-K): length 21.2
  Bottom w0.25: 125.57,57.47 125.57,37.85 D11.1
Net-(D12-K): length 11.4
  Bottom w0.25: MX12.2 30.89,38.42 D12.1
Net-(D13-K): length 19.8
  Bottom w0.25: MX13.2 135.1,31.12 133.35,29.37 127.01,29.37 D13.1
Net-(D15-K): length 66.2
  Top w0.25: v1(53.97,60.56) v1(53.97,66.86)
  Bottom w0.25: v1(53.97,60.56) 59.53,55 59.53,51.59 62.69,48.44 62.69,32.82 59.24,29.37 50.81,29.37 D15.1 ; MX15.2 53.97,71.91 v1(53.97,66.86)
Net-(D16-K): length 47.1
  Top w0.25: v1(150.02,58.22) v1(150.02,69.34)
  Bottom w0.25: D16.1 150.02,40.87 v1(150.02,58.22) ; v1(150.02,69.34) 150.02,71.12 MX16.2
Net-(D17-K): length 33.1
  Bottom w0.25: D17.1 49.03,37.51 54.28,37.51 57.49,40.73 57.49,52.84 54.07,56.26 50.58,56.26 MX17.2
Net-(D18-K): length 21.2
  Bottom w0.25: MX18.2 144.62,37.85 D18.1
Net-(D19-K): length 18.6
  Bottom w0.25: MX19.2 58.9,32.53 57.34,30.97 51.59,30.97 D19.1
Net-(D20-K): length 19.8
  Bottom w0.25: MX20.2 154.15,31.12 152.4,29.37 146.06,29.37 D20.1
Net-(D21-K): length 35.5
  Top w0.25: MX35.2 MX21.2
  Bottom w0.25: D21.1 70.8,26.05 MX38.2
Net-(D22-K): length 47.1
  Top w0.25: v1(73.82,66.86) v1(73.82,60.56)
  Bottom w0.25: v1(73.82,60.56) 73.82,40.87 D22.1 ; MX22.2 73.82,71.12 v1(73.82,66.86)
Net-(D23-K): length 50.8
  Top w0.25: v1(77.79,60.56) v1(77.79,66.86)
  Bottom w0.25: v1(77.79,66.86) 77.79,72.73 81.58,76.52 MX29.2 ; D23.1 86.33,40.48 77.79,49.03 v1(77.79,60.56)
Net-(D25-K): length 49.5
  Top w0.25: v1(153.99,69.34) v1(153.99,58.22)
  Bottom w0.25: 158.44,36.71 153.99,41.16 v1(153.99,58.22) ; MX23.2 157.06,76.52 153.99,73.44 v1(153.99,69.34)
Net-(D26-K): length 56.9
  Top w0.25: 184.74,51.14 184.79,51.14 185.74,50.19 v1(185.74,48.42) ; 184.74,51.14 182.72,53.16 ; 184.74,51.14 182.72,53.16 ; 182.72,53.18 MX30.2 ; 182.72,53.18 182.72,53.16 ; 182.72,53.18 182.72,53.16
  Bottom w0.25: D26.1 168.88,39.69 177.01,39.69 v1(185.74,48.42)
Net-(D27-K): length 21
  Bottom w0.25: MX44.2 153.39,14.61 158.34,19.55 D27.1
Net-(D28-K): length 21.2
  Bottom w0.25: D28.1 68.42,37.85 MX24.2
Net-(D29-K): length 23.6
  Bottom w0.25: MX31.2 87.47,35.47 D29.1
Net-(D30-K): length 22.5
  Bottom w0.25: D30.1 165.9,23.01 169.55,19.37 MX40.2
Net-(D31-K): length 25.3
  Bottom w0.25: D31.1 159.44,35.44 159.44,39.14 163.5,43.19 163.5,57.3 MX25.2
Net-(D32-K): length 21.7
  Bottom w0.25: MX32.2 177.64,46.67 171.45,40.48 167.68,40.48 164.5,37.31 164.5,34.93 165.09,34.33 D32.1
Net-(D34-K): length 19.8
  Bottom w0.25: MX26.2 77.95,31.12 76.2,29.37 69.86,29.37 D34.1
Net-(D35-K): length 19.8
  Bottom w0.25: D35.1 88.91,29.37 95.25,29.37 97,31.12 MX33.2
Net-(D37-K): length 26.2
  Bottom w0.25: D37.1 168.96,28.89 MX27.2 177.96,31.27 MX41.2
Net-(D40-K): length 36.1
  Top w0.25: MX42.2 MX28.2
  Bottom w0.25: MX28.2 135.1,18.9 D40.1
Net-(F2-Pad2): length 1.9
  Bottom w0.38: F2.2 140,62.4 L2.1
Net-(LED1-BK): length 1.3
  Bottom w0.25: R10.1 10.32,65.69 LED1.2
Net-(LED1-GK): length 2.1
  Bottom w0.25: R11.1 8.55,64.37 LED1.3
Net-(LED1-RK): length 3.3
  Bottom w0.25: LED1.4 6.78,66.83 6.46,66.51 6.46,65.15 R12.1
Net-(Q1-G): length 2.4
  Bottom w0.3: R3.2 88.38,60.48 R2.1 87.35,61.62 Q1.1
Net-(SW4-A): length 70.4
  Bottom w0.25: R4.2 84.21,65.28 17.78,65.28 SW4.1
Net-(U1-P0.00/XL1): length 4.9
  Bottom w0.25: Y1.2 167.96,55.47 C9.1 168.13,54.8 169.89,56.56 U1.11
Net-(U1-P0.01/XL2): length 3.4
  Bottom w0.25: Y1.1 167.48,58.03 C10.1 168.2,58.74 U1.13
Net-(U7-ISET): length 2.7
  Bottom w0.2: 95.17,60.15 R16.1 96.64,61.46 U7.16
Net-(U7-TS): length 1.5
  Bottom w0.2: U7.1 95.6,62.15 R13.1

## Copper pours and planes (outline as drawn; the poured copper is in the pictures)
+5V on Bottom: 98.44,62 98.45,60.99 98.97,60.99 98.97,58.61 100.04,58.61 100.03,62
GND on Top, Bottom: 128.59,67.47 142.88,67.47 142.88,59.53 128.59,59.53
GND on Top, Bottom: 41.27,65.09 50.8,65.09 50.8,60.33 41.27,60.33
GND on Top, Bottom: 163.84,70.2 184.09,70.17 184.1,53.58 163.81,53.53
GND on Top, Bottom: 84.14,68.26 84.14,57.15 103.19,57.15 103.19,68.26
+BATT on Bottom: 97.24,62.31 97.23,63.47 96.07,63.47 96.07,64.07 92.89,64.07 92.9,62.31
+VSW on Bottom: 99.02,62.48 99.02,63.27 100.04,63.28 100.04,64.07 102.42,64.07 102.42,62.48

## Text on the board
B.Silkscreen: JLCJLCJLCJLC | concept by haizeus | design by Calvin0563 | for better battery life / use specific encoders such as: / BOURNS PEC11L-4115F-S0020 | 3 | ISO | 1 | 7 | 6 | 125 | 150 | 175 | 225 | LED | on/off | battery | db | debug | reset/boot | + | - | BLE
F.Silkscreen: 𝔓𝔞𝔫𝔡𝔢𝔪𝔬𝔫𝔦𝔲𝔪 | on/off
